# Altium PCB Backend.PcbDoc (part 3 of 3) (continued)
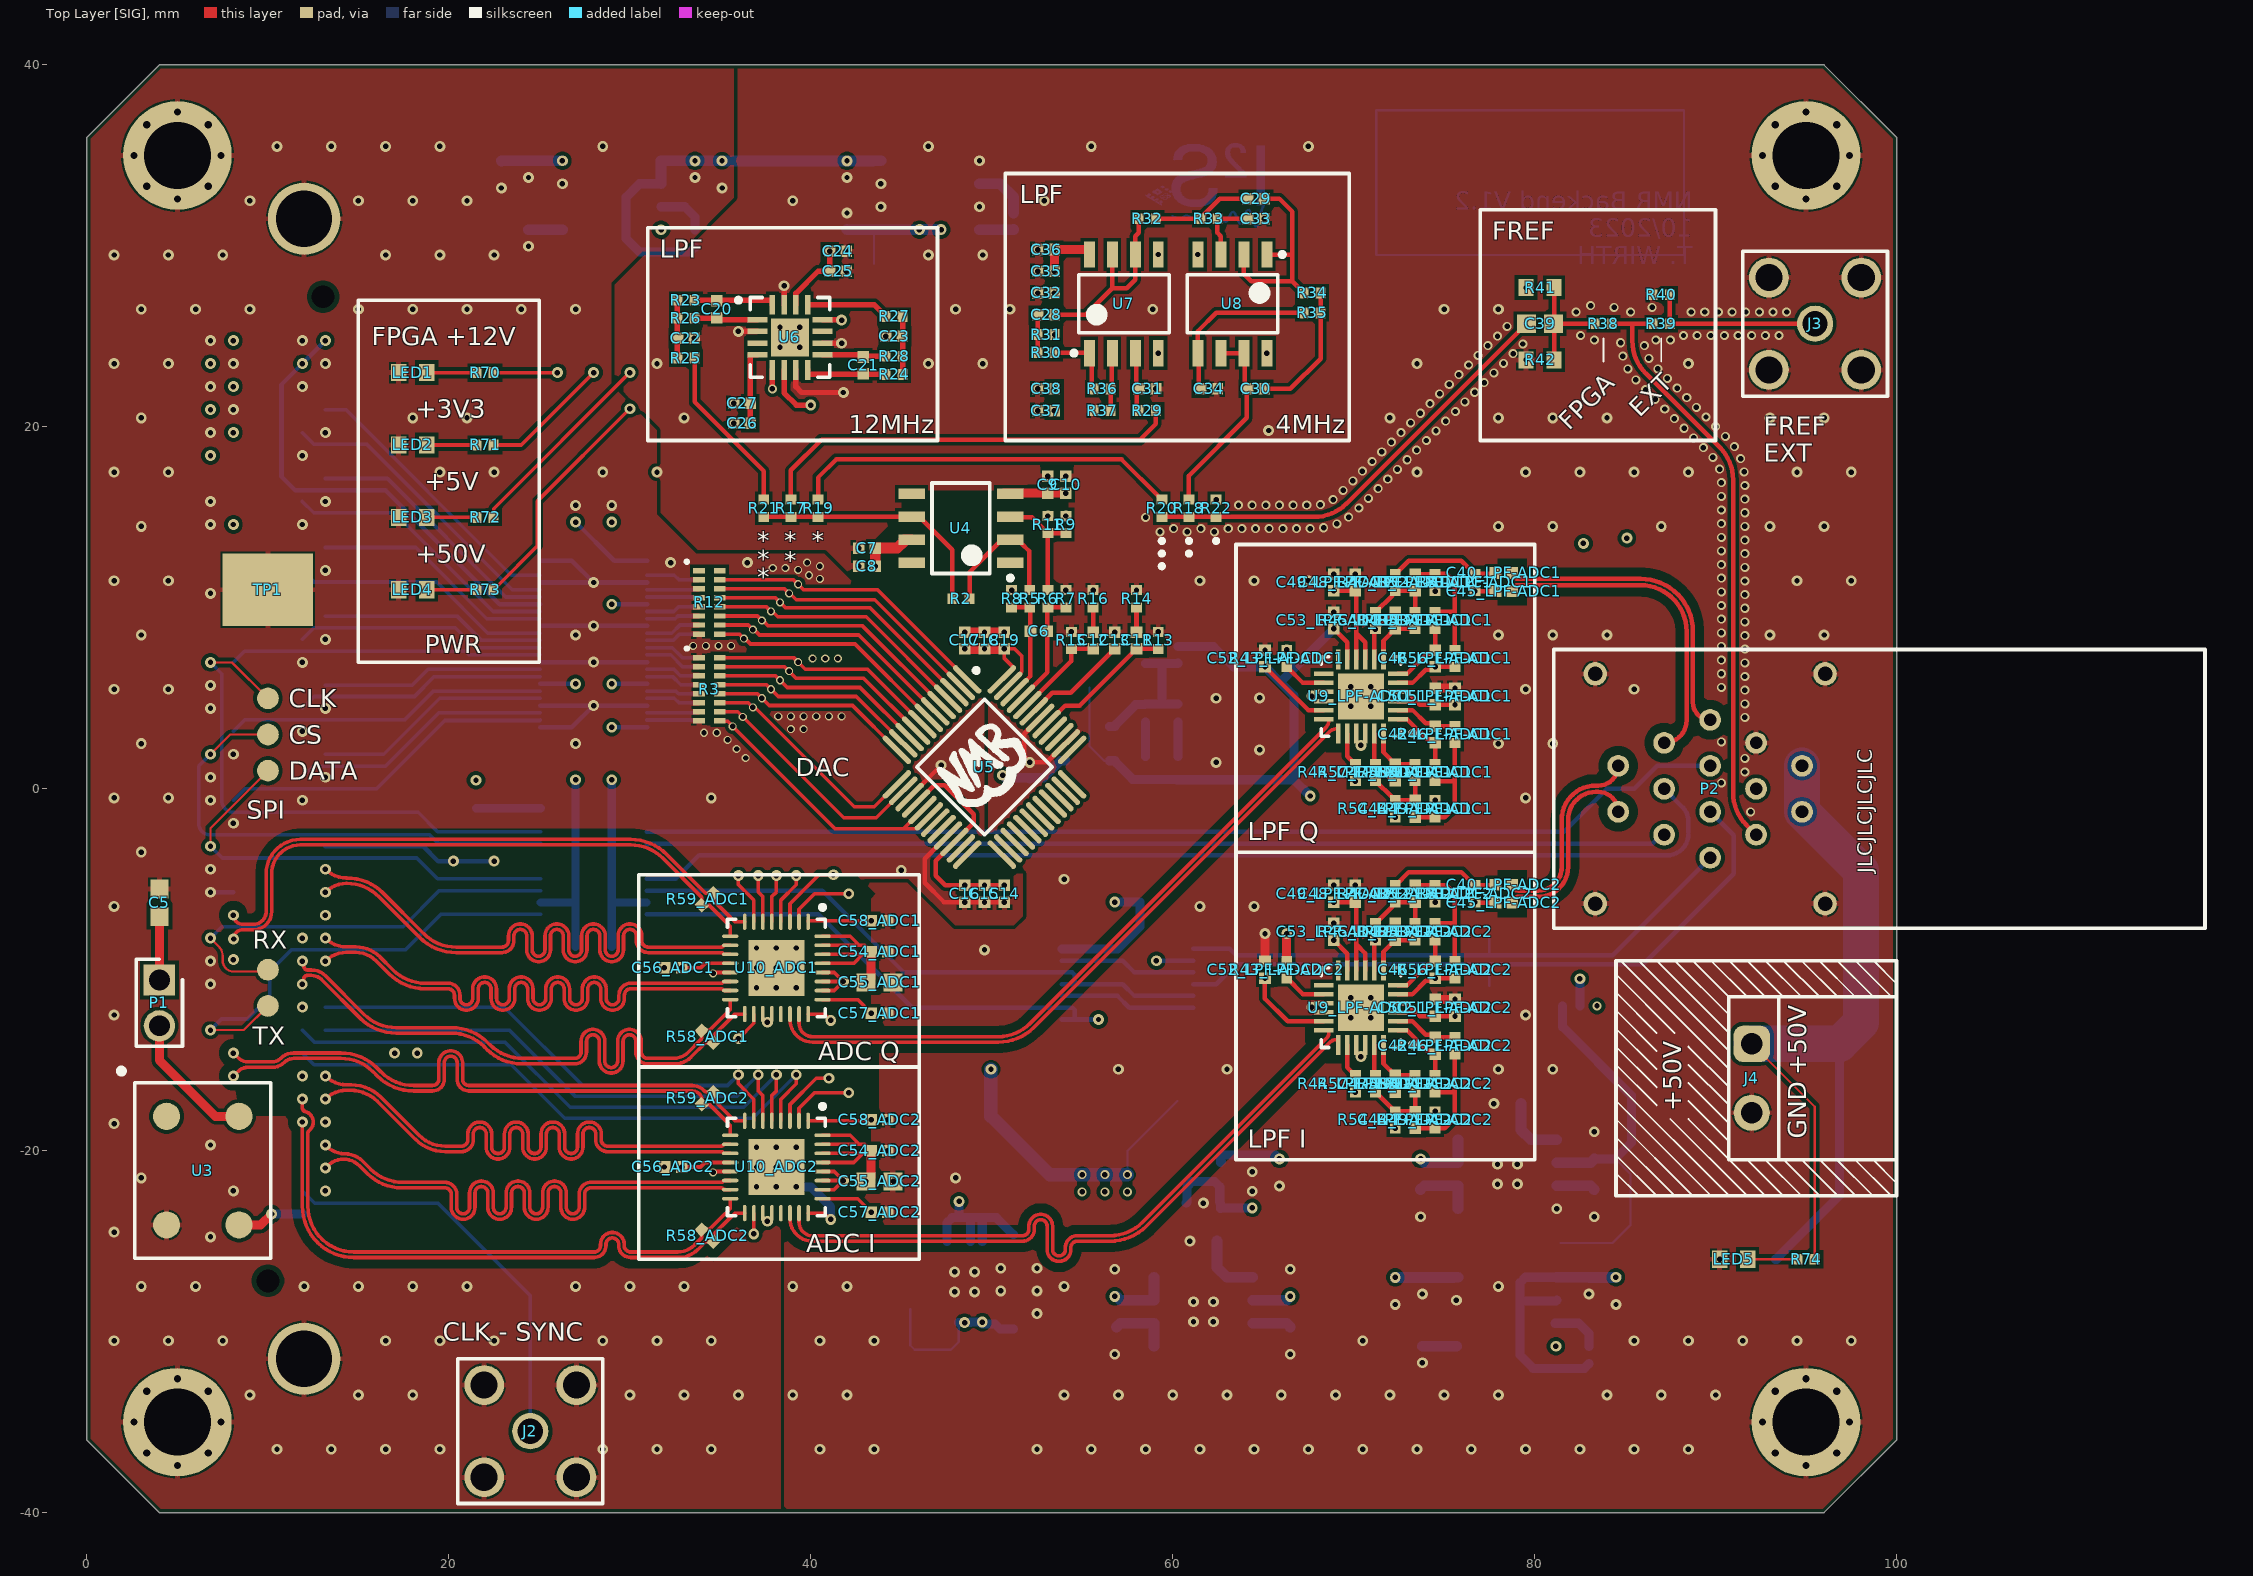
[diagram p0: Top Layer [SIG] view]
## Nets (pads, with @x,y where several pads share a name; then routed paths per layer and width w, separated by ;. In a path a pad name is that pad's centre, name@x,y a point inside that pad or via, vN(x,y) a via of type N, cw(c..) or ccw(c..) an arc to the next point about the centre after c; other vN are vias at no path point) (continued)
  Top Layer [SIG] w0.125: LED5.1@91.775,-26 R74.1@94.525,-26
NetP1_2: P1.2 U3.4 | length 7.6
  Top Layer [SIG] w0.5: P1.2@4,-13.1 4,-15 7.1,-18.1 U3.4@8.4,-18.1
NetR1_1: R1.1 U1.10 | length 3.6
  Bottom Layer [SIG] w0.45: 21.5,-1.075 U1.10@25.075,-1.075
NetR2_1: R2.1 R5.1 U4.2 | length 7.9
  Top Layer [SIG] w0.25: R2.1@48.775,10.5 48.775,11.975 50.39,13.59 50.85,13.59 U4.2@51.025,13.765 ; U4.2@51.04,13.765 51.45,13.765 51.625,13.59 51.625,13.575 52.06,13.14 52.06,11.015 R5.1@52.1,10.975
NetR2_2: R2.2 R17.1 R19.2 R21.2 U4.6 | length 13.9
  Top Layer [SIG] w0.25: R21.2@37.4,15.025 37.405,15.03 45.57,15.03 U4.6@45.575,15.035 46,15.035 47.825,13.21 R2.2@47.825,10.5
NetR4_1: R4.1 U2.23 | length 2.9
  Bottom Layer [SIG] w0.2: U2.23@30.95,3.8 33.6,3.8 33.65,3.75 R4.1@33.825,3.75
NetR6_1: R6.1 R9.2 R11.2 U4.3 | length 7.2
  Top Layer [SIG] w0.25: U4.3@50.44,15 52.225,15 R11.2@53.1,14.125 ; R6.1@53.1,10.975 53.092,10.983 53.092,14.117 R11.2@53.1,14.125 ; R9.2@54.1,14.125 R11.2@53.1,14.125
NetR17_2: R17.2 R29.1 | length 23.6
  Top Layer [SIG] w0.25: R17.2@38.9,15.975 38.9,17.6 40.6,19.3 58.2,19.3 59.075,20.175 R29.1@59.075,20.9
NetR19_1: R19.1 R20.2 | length 21.6
  Top Layer [SIG] w0.25: R19.1@40.4,15.975 40.4,17.2 41.4,18.2 57.175,18.2 59.225,16.15 59.225,16.125 59.375,15.975 R20.2@59.4,15.975
NetR21_1: R21.1 R25.1 | length 9.4
  Top Layer [SIG] w0.25: R25.1@33.575,23.8 33.575,21.386 37.4,17.561 R21.1@37.4,15.975
NetR22_1: R22.1 U6.5 | length 28.1
  Top Layer [SIG] w0.3: v2(37.875,22.1) U6.5@37.875,23.15
  Mid Layer 2 [SIG] w0.25: v2(37.875,22.1) 41.175,18.8 59.575,18.8 v2(62.4,15.975)
NetR27_1: R27.1 U6.13 | length 4.6
  Top Layer [SIG] w0.3: U6.13@39.825,26.75 43.5,26.75 44.125,26.125 R27.1@44.125,26.1
NetR30_1: R30.1 R36.2 U7.1 | length 4
  Top Layer [SIG] w0.25: R30.1@53.475,24.1 55.37,24.1 U7.1@55.395,24.075 55.525,23.945 R36.2@55.525,22.1
NetR36_1: R36.1 R37.2 U7.2 | length 3.2
  Top Layer [SIG] w0.25: R37.2@56.575,20.9 R36.1@56.575,22.1 56.62,22.145 56.62,24.03 U7.2@56.665,24.075
NetR43_LPF-ADC1_1: R43_LPF-ADC1.1 U9_LPF-ADC1.14 | length 2.4
  Top Layer [SIG] w0.25: R43_LPF-ADC1.1@66.3,6.725 66.325,6.725 67.2,5.85 U9_LPF-ADC1.14@68.35,5.85
NetR43_LPF-ADC2_1: R43_LPF-ADC2.1 U9_LPF-ADC2.14 | length 2.4
  Top Layer [SIG] w0.25: R43_LPF-ADC2.1@66.3,-10.475 66.325,-10.475 67.2,-11.35 U9_LPF-ADC2.14@68.35,-11.35
NetR44_LPF-ADC1_1: R44_LPF-ADC1.1 U9_LPF-ADC1.20 | length 1.9
  Top Layer [SIG] w0.25: U9_LPF-ADC1.20@69.65,3.05 69.65,1.8 70.075,1.375 R44_LPF-ADC1.1@70.1,1.375
NetR44_LPF-ADC2_1: R44_LPF-ADC2.1 U9_LPF-ADC2.20 | length 1.9
  Top Layer [SIG] w0.25: U9_LPF-ADC2.20@69.65,-14.15 69.65,-15.4 70.075,-15.825 R44_LPF-ADC2.1@70.1,-15.825
NetR61_1: R61.1 U12.7 | length 2.8
  Bottom Layer [SIG] w0.5: U12.7@31.725,32.165 33.035,32.165 33.6,31.6 R61.1@33.6,30.875
NetR62_1: R62.1 R64.2 | length 1.9
  Bottom Layer [SIG] w0.5: 58.5,1.775 R64.2@58.5,3.7
NetR63_1: R63.1 R65.1 | length 1.9
  Bottom Layer [SIG] w0.5: 60.3,1.775 R65.1@60.3,3.7
NetR75_1: R75.1 U18.7 | length 2.8
  Bottom Layer [SIG] w0.5: U18.7@81.125,-29.535 82.435,-29.535 83,-30.1 R75.1@83,-30.825
NetU17_3: U17.3 U17.13 | length 7.5
  Bottom Layer [SIG] w0.25: U17.13@53.875,-9.5 57.238,-9.5 57.888,-10.15 U17.3@61.125,-10.15
NetU17_6: U17.6 U17.10 | length 7.5
  Bottom Layer [SIG] w0.25: U17.10@53.875,-11.45 56.95,-11.45 57.6,-12.1 U17.6@61.125,-12.1
Q_N: C40_LPF-ADC1.1 P2.8 | length 17.3
  Top Layer [SIG] w0.25: C40_LPF-ADC1.1@78.76,11.925 ccw(c79.084,11.925) 79.084,11.601 85.854,11.601 cw(c85.854,8.703) 88.752,8.703 88.752,4.758 ccw(c89.7,4.758) P2.8@89.7,3.81
Q_P: C45_LPF-ADC1.1 P2.9 | length 18.1
  Top Layer [SIG] w0.25: C45_LPF-ADC1.1@78.76,10.925 cw(c79.084,10.925) 79.084,11.249 85.854,11.249 cw(c85.854,8.703) 88.4,8.703 88.4,3.78 cw(c87.16,3.78) P2.9@87.16,2.54
RX: P2.3 pad.3@77.5,-8 U17.1 | length 32.2
  Bottom Layer [SIG] w0.125: 77.5,-9.2 pad.3@77.5,-8
  Bottom Layer [SIG] w0.25: U17.1@61.125,-8.85 63.15,-8.85 63.5,-9.2 84.31,-9.2 P2.3@89.7,-3.81
RX2: U1.18 U17.5 U17.11 U17.12 | length 33.6
  Bottom Layer [SIG] w0.25: U1.18@30.925,-5.625 40.625,-5.625 45.15,-10.15 54.45,-10.15 54.575,-10.275 54.575,-10.75 U17.11@54.525,-10.8 ; U17.11@53.875,-10.8 U17.11@54.525,-10.8 ; U17.5@61.125,-11.45 57.888,-11.45 57.238,-10.8 U17.11@54.525,-10.8
RX_FMC: J1.C14 pad.3@10,-10 U1.3 | length 23.7
  Top Layer [SIG] w0.125: v1(6.825,-8.255) 7.274,-8.704 cw(c6.727,-9.25) 7.5,-9.25 7.5,-9.5 ccw(c8.1,-9.5) 8.1,-10.1 9.9,-10.1 ccw(c9.9,-10) pad.3@10,-10
  Bottom Layer [SIG] w0.2: v1(6.825,-8.255) 7.455,-7.625 17.475,-7.625 19.475,-5.625 U1.3@25.075,-5.625
TX: P2.12 pad.3@77.5,-10.9 U17.4 | length 37.6
  Bottom Layer [SIG] w0.125: pad.3@77.5,-10.9 77.5,-9.7
  Bottom Layer [SIG] w0.25: U17.4@61.125,-10.8 62.4,-10.8 63.5,-9.7 80,-9.7 86,-9.7 91,-4.7 91,-2.57 P2.12@89.7,-1.27
TX2: U1.20 U17.2 U17.8 U17.9 | length 39.6
  Mid Layer 2 [SIG] w0.25: v1(55.9,-12.75) 55.9,-12.725 59.1,-9.525 v1(59.1,-9.5)
  Mid Layer 3 [PWR] w0.25: v1(55.9,-12.75) 55.9,-12.725 59.1,-9.525 v1(59.1,-9.5)
  Bottom Layer [SIG] w0.25: U1.20@30.925,-6.925 40.425,-6.925 45.6,-12.1 54.45,-12.1 54.575,-12.225 54.575,-12.7 U17.8@54.525,-12.75 ; U17.8@53.875,-12.75 U17.8@54.525,-12.75 ; v1(55.9,-12.75) U17.8@54.525,-12.75 ; v1(59.1,-9.5) U17.2@61.125,-9.5
TX_FMC: J1.C10 pad.3@10,-12 U1.1 | length 25.5
  Top Layer [SIG] w0.125: v1(6.825,-13.335) 8.665,-13.335 pad.3@10,-12
  Bottom Layer [SIG] w0.2: v1(6.825,-13.335) 7.436,-12.724 8.876,-12.724 10.1,-11.5 10.1,-10.1 11.3,-8.9 17.6,-8.9 19.575,-6.925 U1.1@25.075,-6.925
Vocm1: C52_LPF-ADC1.1 C52_LPF-ADC2.1 C53_LPF-ADC1.1 C53_LPF-ADC2.1 C69.1 C70.1 C71.1 pad.3@55.4,5.6 R62.2 R63.2 U9_LPF-ADC1.11 U9_LPF-ADC1.17 U9_LPF-ADC2.11 U9_LPF-ADC2.17 U13.5 | length 58.8
  Top Layer [SIG] w0.25: v1(65.1,-10.46) 65.1,-11.6 66.35,-12.85 U9_LPF-ADC2.17@68.35,-12.85 ; v1(65.1,6.74) 67.49,4.35 U9_LPF-ADC1.17@68.35,4.35 ; v1(68.9,-8.36) 69.65,-9.11 U9_LPF-ADC2.11@69.65,-10.05 ; v1(68.9,8.84) 69.65,8.09 U9_LPF-ADC1.11@69.65,7.15
  Mid Layer 3 [PWR] w0.5: v1(65.1,-10.46) 65.119,-10.441 65.56,-10.441 67.641,-8.36 ; v1(67.6,-0.4) 67.619,-0.419 67.619,-0.49 67.641,-0.512 67.641,-8.36 ; v1(68.9,-8.36) 67.641,-8.36
  Bottom Layer [SIG] w0.125: pad.3@55.4,5.6 55.4,2.35 56.2,1.55 U13.5@56.5,1.55
  Bottom Layer [SIG] w0.5: U13.5@56.5,1.55 56.8,1.55 56.85,1.5 56.85,1.455 57.78,0.525 R62.2@58.5,0.525 R63.2@60.3,0.525 ; R63.2@60.25,0.5 66.7,0.5 ; C69.1@60.3,7.86 62.246,7.86 63.366,6.74 v1(65.1,6.74) 65.95,5.89 ; v1(67.6,-0.4) 66.7,0.5 ; v1(68.9,8.84) 65.95,5.89 ; 65.95,5.89 66.7,5.14 66.7,0.5
pads on no net: J1.C2 J1.C3 J1.C6 J1.C7 J1.C11 J1.C15 J1.C19 J1.C23 J1.C27 J1.C30 J1.C31 J1.C34 J1.D1 J1.D4 J1.D5 J1.D11 J1.D12 J1.D17 J1.D18 J1.D21 J1.D24 J1.D27 J1.D29 J1.D30 J1.D31 J1.D33 J1.D34 J1.D35 J1.G15 J1.G16 J1.G18 J1.G19 J1.G22 J1.G25 J1.G28 J1.G31 J1.G34 J1.G37 J1.H1 J1.H2 J1.H19 J1.H20 J1.H23 J1.H26 J1.H29 J1.H32 J1.H35 J1.H38 J1.MH1 J1.MH2 R10.8 R10.9 R12.1 R12.16 U1.5 U1.6 U1.9 U1.12 U1.15 U1.16 U2.2 U2.47 U3.1 U4.1 U4.5 U4.8 U5.19 U5.20 U5.23 U5.24 U5.25 U5.26 U5.27 U5.28 U5.29 U5.30 U5.31 U5.32 U5.33 U5.34 U5.35 U5.36 U5.37 U5.39 U5.40 U6.3 U6.11 U9_LPF-ADC1.12 U9_LPF-ADC1.13 U9_LPF-ADC2.12 U9_LPF-ADC2.13 U10_ADC1.21 U10_ADC2.21 U12.2 U14.4 U15.6 U18.2
copper on no net: | length 50
  Bottom Layer [SIG] w0.125: 71.25,29.5 88.25,29.5 88.25,37.5 71.25,37.5 71.25,29.5
  other v1: 82.7,13.56 85.1,13.85

## Polygon pours and split planes (outlines as drawn)
AGND on Top Layer [SIG] "NONET_L-01_P-001" (solid, remove dead copper, pour order 6): 29,-44 29,45 103,45 103,-44
DGND on Top Layer [SIG] "NONET_L-01_P-001" (solid, remove dead copper, pour order 5): -3.026,41.688 -3.026,-41.048 38.328,-41.048 38.33,-22.5 39.7,-22.5 39.7,-16.5 40.8,-16.5 40.8,-14.4 39.356,-14.4 38.385,-13.353 38.328,-11.5 40,-11.5 40,-13.2 42.897,-13.2 42.966,-5 45.426,-5 47.974,-7.548 51.224,-7.548 51.724,-7.048 51.724,-4.7 49.6,-4.7 49.6,5.861 44.087,11.452 42.298,11.452 40.75,13 33.676,13 31.5,15.176 31.5,19.8 28.974,22.326 28.974,27.952 30.724,29.702 32.802,29.702 35.75,32.65 35.75,41.688
+5V on Mid Layer 3 [PWR] "NONET_L-01_P-001" (solid, remove dead copper, pour order 11): 26,43 26,-43 103,-43 103,43
FMC12V on Mid Layer 3 [PWR] "NONET_L-01_P-001" (solid, remove dead copper, pour order 10): 33.15,-25 33.15,-9.9 33.15,41 -1,41 -1,-42 61,-42 87,-42 87,-29.7 78.4,-29.7 78.4,-25 69.7,-25 69.7,-30.3 67.9,-32.1 52,-32.1 52,-30 38,-30
+3V3_FMC on Mid Layer 3 [PWR] "NONET_L-01_P-001" (solid, remove dead copper, pour order 9): 9.953,29.797 5.4,25.2 5.4,21.9 7.6,21.9 7.6,14.4 8,14 21.2,14 24.2,17 27.5,17 28,16.5 28,0.4 27.1,-0.5 7.2,-0.5 2.6,-5.3 2.6,-14.2 3.45,-15.05 5.5,-15.05 7,-13.9 25.6,-13.9 27.1,-15.4 27.1,-26 34,-33 54,-33 56,-31 56,-22 51.4,-22 51.4,-28.8 50,-30 38,-30 33,-25 33,-11.608 33,18.366 21.776,29.803
FMC_VADJ on Mid Layer 3 [PWR] "NONET_L-01_P-001" (solid, remove dead copper, pour order 3): 15,25 14,26 12,26 11,25 11,-0.25 28,-0.25 28,1.5 29,2.5 29.5,2.5 30,3 30,4 29.5,4.5 29,4.5 28,5.5 28,7 28,16.5 26.817,17.683 15,17.683
-5V on Mid Layer 3 [PWR] "NONET_L-01_P-001" (solid, remove dead copper, pour order 8): 61.75,29.5 53.75,29.5 49.25,31.5 45.25,31.5 41.25,27.75 41.25,22.25 40,21.25 36.1,21.25 36.1,19.4 40.25,15.25 52.25,15.25 55.7,18.7 61.75,18.7
AGND on Mid Layer 1 [GND] "NONET_L-01_P-001" (solid, remove dead copper, pour order 14): 29,-44 29,45 103,45 103,-44
DGND on Mid Layer 1 [GND] "NONET_L-01_P-001" (solid, remove dead copper, pour order 13): -3.026,41.688 -3.026,-41.048 38.228,-41.048 38.33,-22.5 39.7,-22.5 39.7,-15.8 46.4,-15.8 46.4,-14.6 38.328,-14.6 38.328,-11.5 40,-11.5 40,-13.1 47.928,-13.1 47.974,-7.548 51.224,-7.548 51.724,-7.048 51.724,-4.7 49.6,-4.7 49.6,5.861 44.087,11.452 42.298,11.452 40.75,13 33.676,13 31.5,15.176 31.5,19.8 28.974,22.326 28.974,27.952 30.724,29.702 32.802,29.702 35.75,32.65 35.75,41.688
AGND on Bottom Layer [SIG] "NONET_L-01_P-001" (solid, remove dead copper, pour order 15): 29,-44 29,45 103,45 103,-44
DGND on Bottom Layer [SIG] "NONET_L-01_P-001" (solid, remove dead copper, pour order 7): -3.026,41.688 -3.026,-41.048 38.228,-41.048 38.33,-22.5 40,-22.5 40,-15 64,-15 64,-10.5 64,-1.5 42.2,-1.5 42.2,11.3 40.5,13 33.676,13 31.5,15.176 31.5,19.8 28.974,22.326 28.974,27.952 30.724,29.702 32.802,29.702 34.2,31.1 34.2,41.688
AGND on Mid Layer 4 [GND] "NONET_L-01_P-001" (solid, remove dead copper, pour order 18): 29,-44 29,45 103,45 103,-44
DGND on Mid Layer 4 [GND] "NONET_L-01_P-001" (solid, remove dead copper, pour order 17): -3.026,41.688 -3.026,-41.048 38.228,-41.048 38.33,-22.5 40,-22.5 40,-15 64,-15 64,-10.5 87.5,-10.5 91.5,-6 91.5,-1 90.5,0 90.5,2.5 87.305,1.44 83.5,0.5 80.5,-1.5 42.2,-1.5 42.2,11.3 40.5,13 33.676,13 31.5,15.176 31.5,19.8 28.974,22.326 28.974,27.952 30.724,29.702 32.802,29.702 34.2,31.1 34.2,41.688
AGND on Mid Layer 4 [GND] "NONET_L-01_P-001" (solid, remove dead copper, pour order 16): 64,-8 64.5,-8.5 83.5,-8.5 86.5,-5.5 86.5,-4.75 86,-4.25 64.5,-4.25 64,-4.75

## Other copper
Top Layer [SIG]:
  pour cut-out: 52,5.5 49.22,5.47 43.689,11 43.05,11 43.05,13.3 45,15.25 45,16.5 54.25,16.5 54.25,14 53.21,14 53.092,14.117 53.06,14.085 53.06,6.428
  pour cut-out: 36.406,-4.75 42.536,-4.75 43.6,-5.814 43.34,-6.074 43.34,-13.21
  pour cut-out: 75.6,10.6 76.525,10.6 76.525,10.45 75.75,10.45
  pour cut-out: 75.6,-6.6 76.525,-6.6 76.525,-6.75 75.75,-6.75
  pour cut-out: 36,-4.8 33.2,-4.8 33.4,-5
  pour cut-out: 32.428,-15.875 35.799,-12.505 35.799,-11.9 42.793,-11.9 43.344,-18.35 43.344,-19.996 42.275,-18.35 39.85,-18.35
  pour cut-out: 10.75,-3 10.75,-6.5 8.1,-8.255 8.1,-10.1 9.922,-10.078 10,-12 11.907,-12.062 16.07,-11.15 35.41,-11.15 35.41,-7.882 30.75,-3
  pour cut-out: 8.665,-13.335 8.095,-13.4 8.095,-14.605 15.9,-14.7 17,-15.6 18.8,-15.6 18.8,-14 16.6,-12 10,-12
  pour cut-out: 8.095,-14.605 8.095,-15.875 8.4,-18.1 12.3,-18.1 12.2,-24 13.5,-25.3 13.591,-25.209 33.578,-25.209 35.41,-23.377 35.41,-18.857 32.428,-15.875
  pour cut-out: 43.775,-17.6 43.775,-13.088 43.025,-13.838 43.025,-18.325
Mid Layer 4 [GND]:
  pour cut-out: 92.24,-5.422 85.786,-12.828 85.5,-17 85.5,-19.3 84.9,-20.8 84.9,-24.1 84.5,-24.5 84.495,-26.995 102.75,-27 102.75,6.35 96,6.35 92.24,2.54
Bottom Layer [SIG]:
  pour cut-out: 32.525,-4.975 32.525,-5.725 32.625,-5.625 40.625,-5.625 40.625,-3.875 40.425,-3.675 33.825,-3.675
  pour cut-out: 30.5,-0.75 30.5,-1 29,-1 29,-0.75
  pour cut-out: 25.5,-0.75 25.5,-1 27,-1 27,-0.75
  pour cut-out: 70.75,38 70.75,29 88.75,29 88.75,38
  pour cut-out: 79.935,-28.265 79.2,-29 79.2,-31.3 79.925,-32.025 82.75,-32.025 83,-31.775 83,-30.1 82.435,-29.535 82.05,-29.535 82.05,-28.765 81.55,-28.265
  pour cut-out: 84.219,0.969 85.79,2.54 87.16,2.54 88.43,3.81 90.307,3.81
  pour cut-out: 92.09,-2.39 83.198,-3.5 83.35,-6.35 83.198,-9.247 85.85,-9.55 85.35,-16.85 85.35,-19.15 84.45,-20.45 82.962,-20.45 82.962,-22.6 84.3,-22.6 84.3,-25.1 86.5,-24.9 86.5,-26.806 102.6,-26.85 102.6,6.5 95.85,6.5 92.09,2.69
  region: 329 vertices and 0 holes, not listed, extent 59.951,32.163 62.483,35.618
  region: 368 vertices and 0 holes, not listed, extent 59.926,31.025 65.097,35.535
  region: 63.885,34.204 63.814,34.274 63.798,34.282 63.777,34.311 63.699,34.389 63.682,34.397 63.662,34.426 63.637,34.451 63.629,34.467 63.584,34.513 63.567,34.521 63.559,34.538 63.542,34.546 63.513,34.575 63.509,34.587 63.493,34.595 63.472,34.624 63.439,34.657 63.431,34.674 63.406,34.698 63.398,34.715 63.386,34.736 63.369,34.744 63.348,34.764 63.34,34.781 63.315,34.806 63.307,34.822 63.283,34.847 63.25,34.905 63.208,34.979 63.192,35.02 63.184,35.061 63.167,35.102 63.163,35.181 63.175,35.259 63.192,35.3 63.2,35.333 63.241,35.375 63.262,35.412 63.295,35.42 63.328,35.453 63.361,35.461 63.608,35.453 63.641,35.42 63.666,35.412 63.72,35.358 63.728,35.325 63.744,35.309 63.761,35.21 63.769,35.152 64.029,35.148 64.049,35.168 64.037,35.247 64.029,35.313 64.012,35.354 63.992,35.399 63.983,35.432 63.95,35.465 63.942,35.482 63.856,35.568 63.814,35.593 63.757,35.618 63.682,35.651 63.612,35.663 63.563,35.671 63.377,35.676 63.353,35.667 63.32,35.659 63.233,35.638 63.221,35.626 63.188,35.618 63.13,35.585 63.085,35.556 63.08,35.544 63.064,35.535 63.01,35.482 63.002,35.465 62.977,35.441 62.957,35.387 62.936,35.366 62.928,35.333 62.916,35.239 62.903,35.193 62.911,35.037 62.92,35.012 62.928,34.954 62.936,34.921 62.961,34.896 62.969,34.863 62.994,34.822 63.064,34.719 63.076,34.707 63.085,34.69 63.097,34.67 63.113,34.661 63.126,34.649 63.134,34.632 63.159,34.608 63.167,34.591 63.179,34.579 63.192,34.575 63.2,34.558 63.241,34.517 63.25,34.5 63.6,34.15 63.616,34.142 63.678,34.08 63.687,34.063 63.699,34.051 63.715,34.043 63.744,34.022 63.736,33.997 63.699,33.985 62.899,33.977 62.887,33.964 62.895,33.907 62.899,33.795 62.932,33.787 64.062,33.795 64.074,33.833 64.066,33.857 64.07,33.993 64.062,34.026 63.979,34.109 63.963,34.117 63.95,34.129 63.942,34.146 63.889,34.199
  region: 59.731,33.16 59.714,33.169 59.657,33.193 59.64,33.185 59.582,33.152 59.57,33.132 59.607,33.086 59.665,33.07 59.714,33.078 59.76,33.115 59.752,33.148 59.735,33.156
  region: 59.508,33.284 59.459,33.317 59.418,33.309 59.401,33.292 59.368,33.284 59.352,33.276 59.347,33.247 59.36,33.235 59.401,33.21 59.442,33.193 59.492,33.202 59.516,33.226 59.554,33.247 59.545,33.272 59.516,33.284
  region: 60.193,32.888 60.176,32.905 60.102,32.938 60.069,32.93 60.028,32.905 60.015,32.892 60.007,32.868 60.02,32.847 60.061,32.831 60.102,32.806 60.127,32.814 60.151,32.839 60.197,32.851 60.205,32.868 60.197,32.884
  region: 59.104,33.127 59.063,33.103 59.046,33.086 59.005,33.078 58.972,33.045 58.939,33.037 58.923,33.02 58.869,32.991 58.877,32.967 58.927,32.942 58.931,32.938 58.947,32.921 58.989,32.905 59.038,32.872 59.129,32.822 59.145,32.806 59.187,32.814 59.211,32.839 59.319,32.897 59.393,32.938 59.405,32.95 59.413,32.983 59.393,33.004 59.352,33.02 59.335,33.037 59.319,33.045 59.306,33.057 59.298,33.074 59.286,33.086 59.269,33.094 59.236,33.127 59.203,33.136 59.187,33.152 59.154,33.16 hole: 59.162,33.02 59.224,32.991 59.215,32.967 59.183,32.958 59.17,32.946 59.145,32.954 59.1,32.983 59.104,32.987 59.108,32.991 59.121,33.004
  region: 59.582,32.913 59.566,32.897 59.549,32.888 59.504,32.851 59.496,32.818 59.492,32.806 59.385,32.798 59.352,32.765 59.319,32.756 59.298,32.736 59.306,32.694 59.339,32.67 59.347,32.653 59.36,32.641 59.451,32.633 59.463,32.62 59.488,32.579 59.5,32.567 59.545,32.563 59.653,32.571 59.673,32.591 59.677,32.596 59.694,32.612 59.702,32.637 59.735,32.67 59.727,32.686 59.702,32.694 59.686,32.736 59.69,32.748 59.731,32.765 59.789,32.773 59.822,32.765 59.838,32.756 59.85,32.744 59.842,32.727 59.83,32.715 59.752,32.703 59.756,32.69 59.789,32.699 59.838,32.682 59.892,32.711 59.9,32.744 59.875,32.785 59.855,32.806 59.822,32.814 59.764,32.798 59.743,32.818 59.735,32.851 59.727,32.868 59.714,32.88 59.624,32.921 hole: 59.615,32.88 59.648,32.872 59.686,32.835 59.681,32.814 59.648,32.806 59.624,32.814 59.562,32.802 59.545,32.793 59.533,32.765 59.5,32.756 59.492,32.715 59.475,32.699 59.442,32.69 59.352,32.699 59.347,32.719 59.368,32.756 59.492,32.765 59.496,32.785 59.496,32.793 59.5,32.806 59.525,32.814 59.537,32.826 59.545,32.843 59.558,32.855 59.574,32.864 hole: 59.628,32.76 59.661,32.752 59.669,32.736 59.657,32.723 59.653,32.719 59.624,32.69 59.599,32.699 59.574,32.69 59.549,32.699 59.537,32.711 59.549,32.756 hole: 59.632,32.682 59.665,32.674 59.669,32.653 59.632,32.6 59.599,32.6 59.574,32.591 59.529,32.604 59.504,32.612 59.512,32.645 59.603,32.653
  region: 59.974,32.991 59.982,33 59.962,33.028 59.921,33.045 59.904,33.061 59.871,33.07 59.822,33.037 59.793,33.024 59.801,32.975 59.85,32.95 59.888,32.938 59.945,32.962 59.962,32.971 59.974,32.983
  region: 58.659,32.872 58.642,32.855 58.609,32.847 58.593,32.839 58.589,32.802 58.613,32.777 58.593,32.773 58.576,32.798 58.543,32.806 58.519,32.814 58.51,32.781 58.506,32.76 58.527,32.732 58.56,32.723 58.585,32.699 58.618,32.69 58.651,32.657 58.692,32.649 58.725,32.616 58.766,32.6 58.807,32.575 58.824,32.567 58.84,32.55 58.894,32.53 58.923,32.501 58.956,32.492 58.972,32.484 58.997,32.459 59.051,32.439 59.071,32.418 59.096,32.41 59.121,32.385 59.154,32.377 59.17,32.369 59.203,32.336 59.244,32.328 59.269,32.303 59.31,32.286 59.327,32.27 59.38,32.249 59.393,32.237 59.405,32.249 59.397,32.307 59.385,32.319 59.352,32.328 59.339,32.34 59.343,32.361 59.36,32.369 59.385,32.393 59.426,32.41 59.442,32.418 59.446,32.439 59.401,32.484 59.343,32.492 59.294,32.484 59.248,32.447 59.24,32.431 59.22,32.418 59.133,32.464 59.15,32.505 59.17,32.525 59.211,32.534 59.224,32.546 59.215,32.579 59.195,32.6 59.162,32.608 59.137,32.633 59.117,32.637 59.088,32.608 59.046,32.591 59.034,32.579 59.009,32.538 59.005,32.534 58.947,32.575 58.931,32.583 58.914,32.6 58.873,32.616 58.869,32.62 58.882,32.633 58.956,32.641 58.993,32.67 59.001,32.703 58.993,32.719 58.952,32.736 58.931,32.756 58.882,32.748 58.865,32.732 58.824,32.715 58.811,32.703 58.807,32.657 58.783,32.666 58.766,32.682 58.708,32.715 58.704,32.719 58.7,32.723 58.688,32.727 58.696,32.752 58.737,32.769 58.75,32.781 58.766,32.789 58.787,32.81 58.778,32.843 58.737,32.859 58.725,32.872 58.692,32.88 hole: 59.071,32.517 59.088,32.509 59.092,32.497 59.079,32.484 59.063,32.492 59.059,32.497 59.059,32.505 hole: 59.286,32.393 59.298,32.381 59.294,32.377 59.29,32.373 59.269,32.369 59.265,32.389
  pour cut-out: 59.5,36.5 59.5,30.5 65.5,30.5 65.5,36.5
  pour cut-out: 23.6,3.8 23.6,-1.1 23,-1.1 23,3.8
  pour cut-out: 18.8,-14 18.8,-15.2 19,-15.2 19,-14
  pour cut-out: 42.2,-1.298 42.404,-1.502 42.404,-2.302 42.2,-2.302
  pour cut-out: 11.905,20.955 11.905,3.175 16.875,3.175 21.1,7.4 21.1,14.15 14.295,20.955
  pour cut-out: 12.85,-3.825 12.85,-7.55 12.925,-7.625 17.475,-7.625 19.475,-5.625 19.375,-5.525 19.375,-4.975 18.225,-3.825
  text "NMR Backend V1.2 / 10/2023 / T. WIRTH" at 88.75,29 h1

## Silkscreen, mask and mechanical layers (free items; w line width, h text height)
Top Overlay:
  drawing of 90 lines, arcs and shapes, not listed
  text "LPF" at 51.553,32.347 h1
  text "FREF" at 77.653,30.347 h1
  text "LPF" at 31.653,29.347 h1
  text "FPGA +12V" at 15.751,24.5 h1
  text "+3V3" at 18.167,20.5 h1
  text "EXT" at 85.822,20.475 h1 r45
  text "FPGA" at 81.915,19.768 h1 r45
  text "12MHz" at 42.098,19.653 h1
  text "4MHz" at 65.682,19.653 h1
  text "FREF  / EXT" at 92.658,18.064 h1
  text "+5V" at 18.667,16.5 h1
  text "*" at 37.733,13.2 h1
  text "*" at 39.233,13.2 h1
  text "*" at 40.733,13.2 h1
  text "+50V" at 18.167,12.5 h1
  text "*" at 37.733,12.2 h1
  text "*" at 39.233,12.1 h1
  text "*" at 37.733,11.2 h1
  text "PWR" at 18.667,7.5 h1
  text "CLK" at 11.153,4.5 h1
  text "CS" at 11.153,2.5 h1
  text "DAC" at 39.181,0.7 h1
  text "DATA" at 11.153,0.5 h1
  text "SPI" at 8.834,-1.653 h1
  text "LPF Q" at 64.153,-2.847 h1
  text "JLCJLCJLCJLC" at 98.65,-4.665 h0.8 r90
  text "RX" at 9.167,-8.847 h1
  text "TX" at 9.167,-14.153 h1
  text "ADC Q" at 40.4,-15 h1
  text "+50V" at 95,-15.833 h1 r90
  text "+50V" at 88.115,-17.833 h1 r90
  text "GND" at 95,-19.333 h1 r90
  text "LPF I" at 64.153,-19.847 h1
  text "ADC I" at 39.75,-25.625 h1
  text "CLK - SYNC" at 19.668,-30.5 h1
Bottom Overlay:
  lines w0.1: 54.75,-20 55,-20 55,-20.75 ; 56,-18.25 56.25,-18.25 56.25,-20.75 ; 57.1,8.7 57.1,7.9 57.1,5.1 57.9,4.3 ; 57.25,-16.5 57.5,-16.5 57.5,-20.75 ; 60.9,4.3 61.7,5.1 61.7,7.9 61.7,8.7 ; 82.7,0 86.2,0 ; 90.2,-2 91.2,-3.25 91.2,-4.75 ; 90.2,2 91.2,3.25 91.2,4.75 ; 93.2,0 97.45,0 ; 93.5,-19.25 94.75,-20.5 ; 93.5,-18.25 95.75,-20.5 ; 93.5,-17.25 96.685,-20.435 ; 93.5,-16.25 97.75,-20.5 ; 93.5,-15.25 95.75,-17.5 ; 93.5,-14.25 95.75,-16.5 ; 93.5,-13.25 95.75,-15.5 ; 93.5,-12.25 95.75,-14.5 ; 93.75,-11.5 95.75,-13.5 ; 94.75,-11.5 96.75,-13.5 ; 95.75,-11.5 99.75,-15.5 ; 96.5,-18.25 98.75,-20.5 ; 96.75,-11.5 99.75,-14.5 ; 97.5,-18.25 99.73,-20.48 ; 97.5,-17.25 99.75,-19.5 ; 97.5,-16.25 99.75,-18.5 ; 97.5,-15.25 99.75,-17.5 ; 97.5,-14.25 99.75,-16.5 ; 97.75,-11.5 99.75,-13.5 ; 98.75,-11.5 99.75,-12.5 ; 95.75,-16.5 95.75,-16.5 ; 98.75,-20.5 98.75,-20.5
  lines w0.2: 93.5,-20.505 93.5,-11.5 99.73,-11.5 99.73,-20.505 93.5,-20.505 ; 93.5,-20.505 93.5,-11.495 90.73,-11.495 90.73,-20.505 93.5,-20.505 ; 70.5,-34 70.5,-14 86.5,-14 86.5,-34 70.5,-34 ; 80.5,-9.5 99.75,-9.5 99.75,9 80.5,9 80.5,-9.5
  text "+5V" at 30.333,28.5 h1
  text "-5V" at 48.083,28.5 h1
  text "+2V" at 58.447,9.247 h1
  text "+1V65" at 64.852,9.247 h1
  text "CLK" at 91.545,7.595 h1 r90
  text "Q-" at 88.545,6.095 h1 r90
  text "CMV" at 54.047,5.1 h1
  text "GND" at 94.295,5.083 h1 r90
  text "+50V" at 96.795,4.445 h1 r90
  text "Q+" at 86.045,4.345 h1 r90
  text "+5V/+3V3" at 98.795,3.832 h1 r90
  text "I-" at 83.795,2.655 h1 r90
  text "DATA" at 82.295,1.833 h1 r90
  text "NET TIE" at 45.549,0.253 h1
  text "+50V" at 96.795,-0.805 h1 r90
  text "I+" at 83.95,-2.25 h1 r90
  text "FREF" at 94.295,-2.417 h1 r90
  text "CS" at 86.045,-3.655 h1 r90
  text "TX" at 91.545,-4.905 h1 r90
  text "RX" at 88.545,-5.155 h1 r90
  text "RX" at 76.097,-8.5 h1
  text "TX" at 76.097,-11.4 h1
  text "+50V" at 90.097,-11.653 h1 r90
  text "+50V" at 97.115,-14.167 h1 r90
  text "PWR - FE" at 85.847,-15.653 h1
  text "LDL" at 56.847,-17 h1
  text "GND" at 90.097,-17.681 h1 r90
  text "+3V3" at 65.097,-17.75 h1
  text "ADM" at 55.597,-18.75 h1
  text "FMC" at 54.347,-20.5 h1
  text "+3V3" at 80.333,-25.6 h1
  text "+1V8" at 45.797,-27.75 h1
  text "+5V" at 79.833,-33.2 h1
Top Paste:
  region: 5,37 cw(c5,35) 7,35 cw(c5,35) 5,33 cw(c5,35) 3,35 cw(c5,35)
  region: 5,-33 cw(c5,-35) 7,-35 cw(c5,-35) 5,-37 cw(c5,-35) 3,-35 cw(c5,-35)
  region: 95,-33 cw(c95,-35) 97,-35 cw(c95,-35) 95,-37 cw(c95,-35) 93,-35 cw(c95,-35)
  region: 95,37 cw(c95,35) 97,35 cw(c95,35) 95,33 cw(c95,35) 93,35 cw(c95,35)
Bottom Paste:
  circle w0.1: c95,-35 r2
  region: 95,37 cw(c95,35) 97,35 cw(c95,35) 95,33 cw(c95,35) 93,35 cw(c95,35)
  region: 5,37 cw(c5,35) 7,35 cw(c5,35) 5,33 cw(c5,35) 3,35 cw(c5,35)
  region: 5,-33 cw(c5,-35) 7,-35 cw(c5,-35) 5,-37 cw(c5,-35) 3,-35 cw(c5,-35)
  region: 95,-33 cw(c95,-35) 97,-35 cw(c95,-35) 95,-37 cw(c95,-35) 93,-35 cw(c95,-35)
Bottom Solder:
  drawing of 14 lines, arcs and shapes, not listed
  text "NMR Backend V1.2 / 10/2023 / T. WIRTH" at 88.75,29 h1
Outline:
  lines w0.1: 0,-36 4,-40 96,-40 100,-36 100,-35 100,36 96,40 4,40 0,36 0,-36